# KiCad board panel_4_3.kicad_pcb (continued)
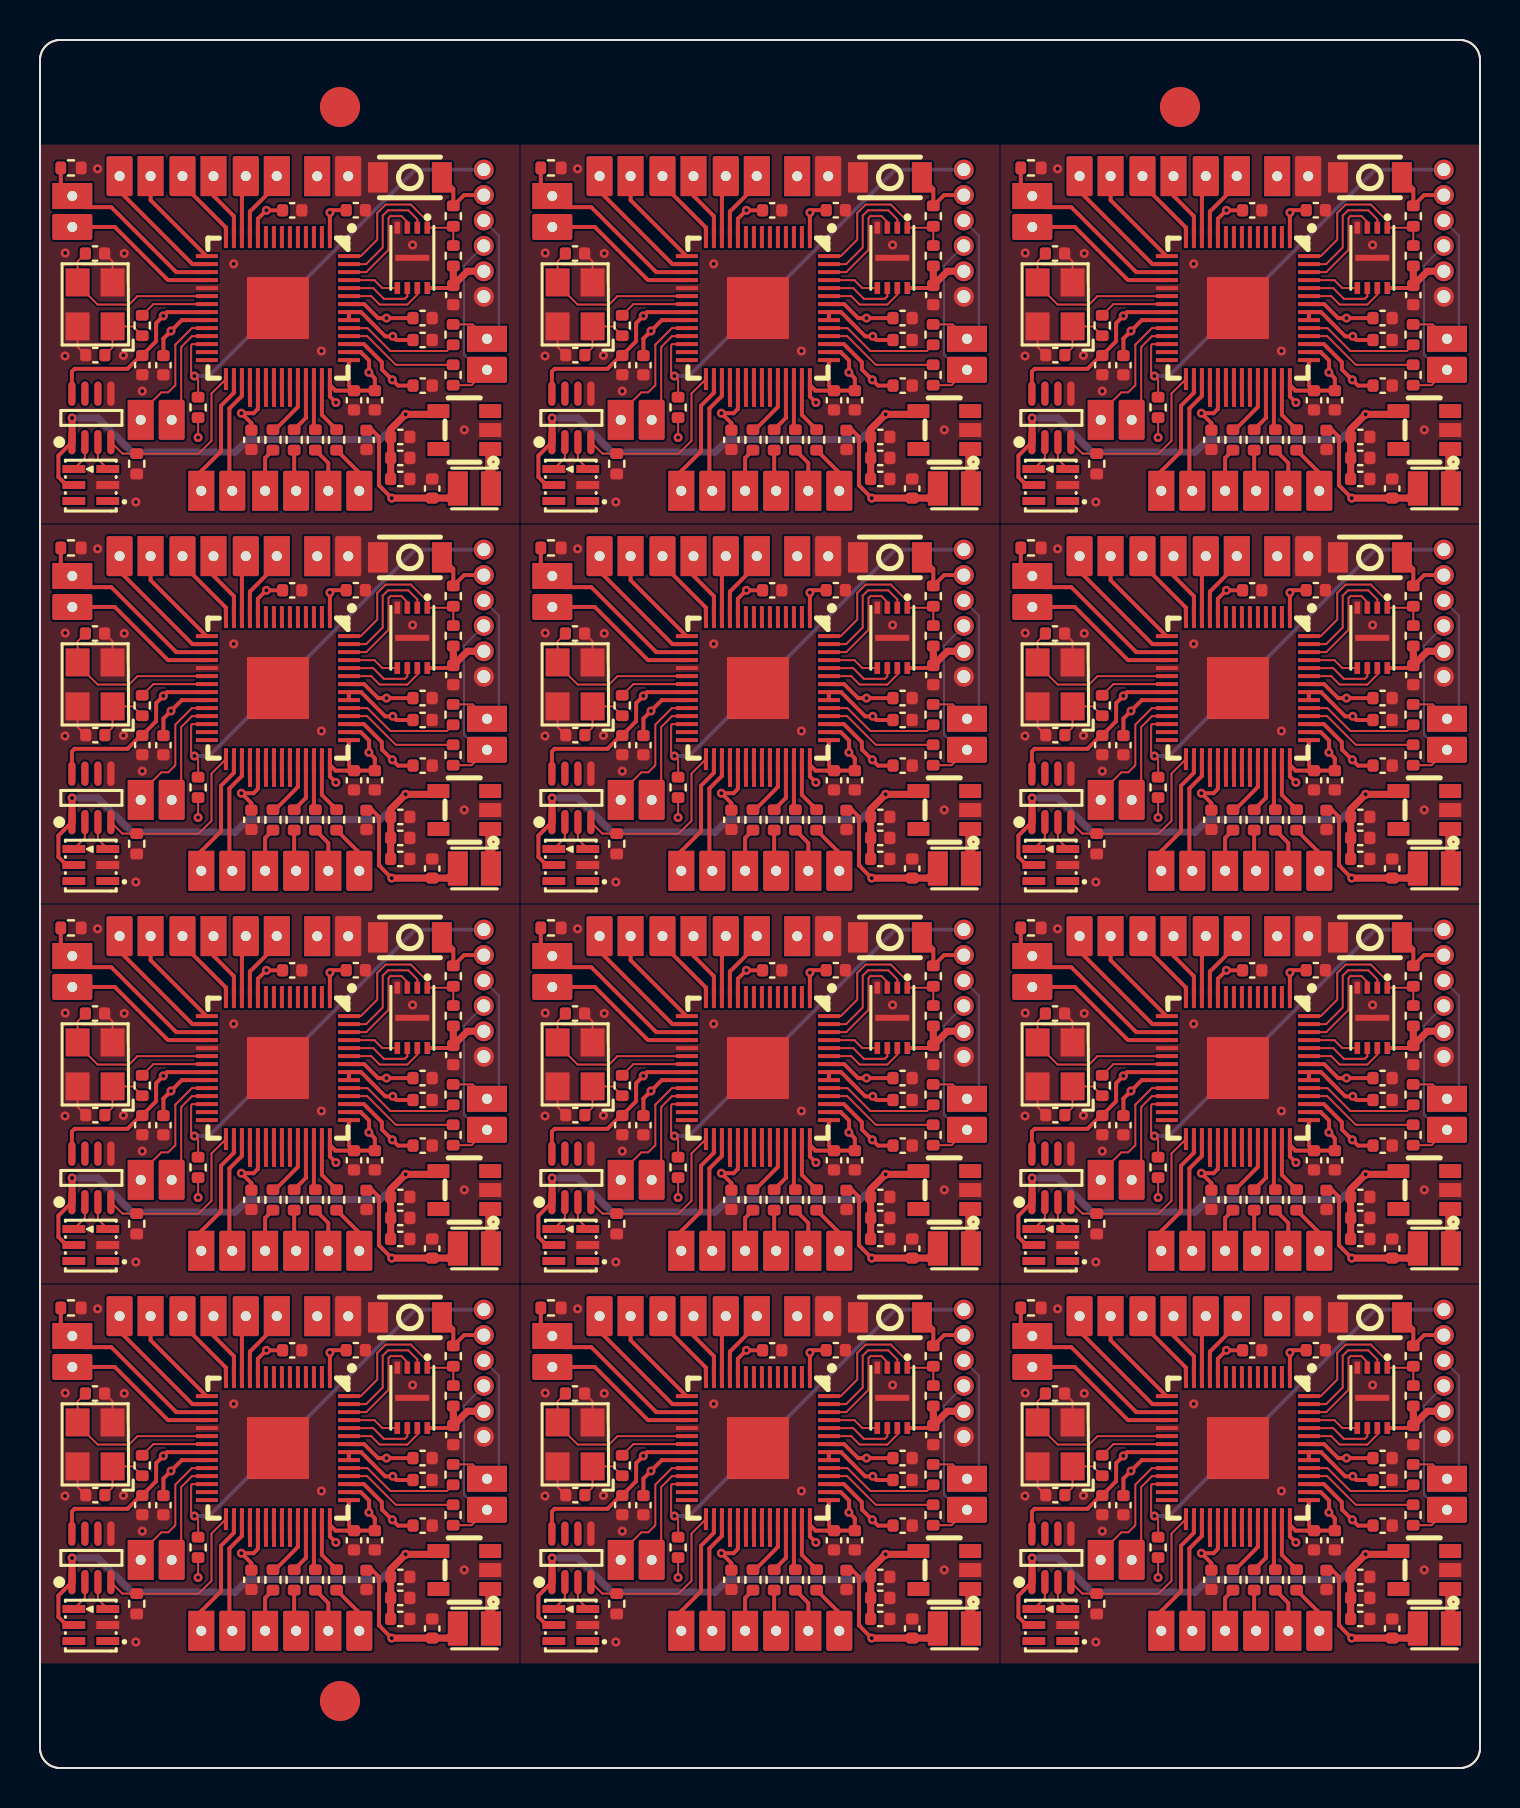
[diagram p0: board, top side]
## Routing (per net, layer and track width the routed paths; a pad name or vN(x,y) marks a point on that pad's centre or on a via; arc(x,y) is an arc through that point) (continued)
Board_4-+5V: length 27.2
  Top w0.2: U3#11.1 24.92,46.62 24.92,45.55 25.32,45.15
  Top w0.358: U3#11.1 25.6,47.3 v1(25.6,48.5) ; 43.93,48.69 v1(42.28,48.69) 41.53,47.94 C16#10.1 C17#6.1 C18#4.1
  Bottom w0.358: v1(25.6,48.5) 26.9,48.5 28.6,46.8 33.75,46.8 34.38,47.43 41.02,47.43 v1(42.28,48.69)
Board_4-BOOT: length 3.4
  Top w0.2: SW1#9.1 44.66,59.96 R5#2.1 45.21,59.65 J8#6.2
Board_4-D+: length 7.6
  Top w0.1: J5#4.1 45.63,53.18 R3#3.2
  Bottom w0.1: J8#6.3 46.94,57.63 46.94,53.05
Board_4-D-: length 8.9
  Top w0.1: J5#4.2 45.58,50.14 R4#8.2
  Bottom w0.1: 45.95,50.91 45.2,51.66 45.2,56.12 J8#6.4
Board_4-DBG_CLK: length 6.6
  Top w0.1: J7.1 29.03,48.76 30.06,49.79 30.41,49.79 30.76,50.14 30.76,52.17 31.59,53 U1#10.24
Board_4-DBG_DAT: length 5.4
  Top w0.1: J7.2 31.06,48.88 31.06,52.05 31.6,52.6 U1#10.25
Board_4-GND: length 3.2
  Top w0.1: X1#4.2 27.63,56.33 C3#9.2 ; X1#4.4 25.88,52.05 C1#6.1
  vias: v1(25.26,56.75) v1(25.25,51.6) v1(26.88,60.96) v1(28.21,56.73) v1(28.17,51.63) v1(28.79,44.3) v1(29.12,49.85) v1(33.69,56.21) v1(38.07,51.85) v1(42.63,57.15) v1(45.21,47.91)
Board_4-LED_CLK_5V: length 1.5
  Top w0.1: LED1#4.4 26.25,46.5 26.25,47.23
Board_4-LED_DATA_5V: length 1.5
  Top w0.1: LED1#4.3 26.9,46.44 26.9,47.23
Board_4-LED_EN: length 8.9
  Top w0.1: U3#11.4 28.12,46.72 31.94,46.72 32.57,47.36 32.57,49.73 U1#10.29
Board_4-Net-(U1-GPIO26_ADC0): length 3.1
  Top w0.2: R8#8.1 35.75,47.92 36.9,49.06 U1#10.38
Board_4-Net-(U1-GPIO27_ADC1): length 2.8
  Top w0.2: R9#2.1 37.29,48.5 U1#10.39
Board_4-Net-(U1-GPIO28_ADC2): length 2.6
  Top w0.2: R10#6.1 37.69,47.99 U1#10.40
Board_4-Net-(U1-GPIO29_ADC3): length 2.8
  Top w0.2: R11#10.1 38.09,48.65 U1#10.41
Board_4-Net-(U1-USB_DM): length 5.8
  Top w0.1: R4#8.1 41.79,51.16 40.36,52.6 39.44,52.6
Board_4-Net-(U1-USB_DP): length 5.8
  Top w0.1: 39.44,53 40.37,53 41.52,51.85 44.35,51.85 R3#3.1
Board_4-Net-(U4-SW): length 1.8
  Top w0.5: 46.51,46.78 46.51,45.01
Board_4-Net-(X1-OSC1): length 3.3
  Top w0.1: C1#6.2 27.63,52.03 X1#4.1 28.65,53.08 R1#12.1
Board_4-NS_8: length 3.6
  Top w0.2: J10#6.1 35.84,60.17 34.5,58.82 U1#10.11
Board_4-NS_9: length 3.1
  Top w0.2: U1#10.12 34.09,60.4 J10#6.2
Board_4-NS_10: length 3.5
  Top w0.2: J9#9.1 32.68,59.61 33.69,58.6 U1#10.13
Board_4-NS_11: length 3.5
  Top w0.2: U1#10.14 33.29,58.02 31.13,60.18
Board_4-NS_19: length 6.3
  Top w0.2: J11#11.1 32.06,45.85 33.05,46.84 33.05,49.12 33.69,49.76 U1#10.30
Board_4-NS_20: length 5.9
  Top w0.2: J11#11.2 33.47,45.01 33.47,48.98 34.09,49.6 U1#10.31
Board_4-NS_CLK: length 2.1
  Top w0.2: R9#2.2 36.71,44.96 J3#12.2
Board_4-NS_CMD: length 2.3
  Top w0.2: R10#6.2 38.41,46.25 J4#5.1
Board_4-NS_CPU: length 7.8
  Top w0.2: U1#10.18 30.4,55.4 27.74,58.05 J2#8.2
Board_4-NS_CPU_PD: length 9.9
  Top w0.2: 32.34,55.8 30.81,55.8 27.56,59.05 26.17,59.05 J2#8.1 25.04,60.18 R12#2.1
Board_4-NS_D0: length 2.5
  Top w0.2: J4#5.2 39.97,45.76 R11#10.2
Board_4-NS_RST: length 2.2
  Top w0.2: J3#12.1 35.25,46.5 R8#8.2
Board_4-NS_SCL: length 5.9
  Top w0.2: 27.98,59.83 31.62,56.2 U1#10.16
Board_4-NS_SDA: length 5.2
  Top w0.2: 32.33,56.6 29.53,59.4 J6#9.1
Board_4-PAD_21: length 1
  Top w0.2: U1#10.32 34.5,49.41
Board_4-PAD_22: length 1
  Top w0.2: U1#10.34 35.29,49.41
Board_4-PAD_23: length 1
  Top w0.2: U1#10.35 35.69,49.41
Board_4-PAD_24: length 1
  Top w0.2: U1#10.36 36.09,49.41
Board_4-PAD_25: length 1
  Top w0.2: U1#10.37 36.5,49.41
Board_4-QSPI_CS: length 8.6
  Top w0.1: 39.44,56.6 40.03,56.6 40.86,57.42 40.86,58.75 41.28,59.18 42.54,59.18 43.37,58.35 U2#6.1 44.66,58.01 R6#12.2
Board_4-QSPI_SCK: length 3.6
  Top w0.1: 39.44,55 40.66,55 41.19,54.46 42.25,54.46 42.37,54.58 U2#6.6
Board_4-QSPI_SD0: length 2.6
  Top w0.1: U2#6.5 41.11,55 40.72,55.4 39.44,55.4
Board_4-QSPI_SD1: length 6.1
  Top w0.1: 39.44,56.2 40.3,56.2 41.13,57.03 41.13,58.61 41.41,58.89 42.41,58.89 42.87,58.43 U2#6.2
Board_4-QSPI_SD2: length 5.4
  Top w0.1: 39.44,55.8 40.31,55.8 41.43,56.91 41.43,58.49 41.53,58.6 42.07,58.6 42.37,58.3 U2#6.3
Board_4-QSPI_SD3: length 4.1
  Top w0.1: 39.44,54.6 40.56,54.6 40.98,54.17 42.37,54.17 42.87,54.67 U2#6.7
Board_4-RST: length 22.3
  Top w0.1: U1#10.26 31.62,52.2 31.56,52.14 31.56,50.77 v1(31.72,50.6) 31.91,50.42 R2#5.2
  Bottom w0.2: v1(31.72,50.6) 32.45,50.6 42.77,60.92 J8#6.1
Board_4-XIN: length 8.7
  Top w0.1: 25.88,55.18 26.88,54.18 28.46,54.18 28.88,54.6 U1#10.20 ; X1#4.3 25.88,56.34 C3#9.1
Board_4-XOUT: length 3.5
  Top w0.1: U1#10.21 29.67,54.2 R1#12.2
Board_5-+1V1: length 25.7
  Top w0.2: C4#6.1 54.17,52.47 v1(54.55,52.85) 55.09,53.4 U1#2.23 ; C2#7.1 v1(65.32,53.5) 64.91,53.5 64.21,54.2 63.44,54.2 ; 63.44,52.2 64.19,52.2 65.09,51.29 65.09,50.93 65.61,50.41 v1(65.62,50.41) 65.62,50.41 65.9,50.12 C5#9.1
  In1.Cu w0.358: v1(54.55,52.85) 55.19,53.5 v1(65.32,53.5) 64.98,53.15 64.98,51.79 65.62,51.15 v1(65.62,50.41)
Board_5-+3V3: length 42.3
  Top w0.1: v1(55.91,47.53) R2#2.1
  Top w0.2: 53.04,51.63 52.38,50.96 49.73,50.96 49.59,50.83 U3#12.8 ; U1#2.1 v1(62.5,58.77) 62.62,58.89 C11#10.1 ; C7#7.1 58.57,48.24 v1(58.07,48.74) 58.68,48.74 58.9,48.96 U1#2.33 ; 63.44,53.4 63.44,53.8 64.05,53.8 65.26,52.59 v1(65.64,52.59) 65.82,52.4 C10#7.1 ; 62.5,50.16 62.78,49.87 64.74,49.87 64.74,50.49 v1(64.44,50.78) 64.46,50.79 64.46,51.38 64.04,51.8 63.44,51.8 ; 53.12,51.65 53.81,52.34 53.81,53.25 v1(54.16,53.61) 54.35,53.8 56.34,53.8 ; 63.44,51.4 63.44,50.12 C9#6.1 ; 68.54,55 U2#12.8 ; U1#2.42 62.5,49.58 v1(62.79,49.28) ; v1(65.59,44.5) 64.95,45.13 64.95,47.56 64.62,47.89 C8#9.1 ; C12#7.1 v1(59.32,58.89) 58.9,58.46 U1#2.10
  Top w0.358: R6#6.1 C14#7.1 69.38,55.84 J8#8.5 ; v1(65.59,44.5) C15#3.1 68.41,44.5 L1#8.1
Board_5-+5V: length 27.2
  Top w0.2: 49.32,45.15 48.92,45.55 48.92,46.62 U3#12.1
  Top w0.358: U3#12.1 49.6,47.3 v1(49.6,48.5) ; 67.93,48.69 v1(66.28,48.69) 65.53,47.94 C16#12.1 C17#12.1 C18#12.1
  Bottom w0.358: v1(66.28,48.69) 65.02,47.43 58.38,47.43 57.75,46.8 52.6,46.8 50.9,48.5 v1(49.6,48.5)
Board_5-BOOT: length 3.4
  Top w0.2: SW1#12.1 68.66,59.96 R5#5.1 69.21,59.65 J8#8.2
Board_5-D+: length 7.6
  Top w0.1: J5#6.1 69.63,53.18 R3#8.2
  Bottom w0.1: 70.94,53.05 70.94,57.63 J8#8.3
Board_5-D-: length 8.9
  Top w0.1: J5#6.2 69.58,50.14 R4#11.2
  Bottom w0.1: J8#8.4 69.2,56.12 69.2,51.66 69.95,50.91
Board_5-DBG_CLK: length 6.6
  Top w0.1: J7#8.1 53.03,48.76 54.06,49.79 54.41,49.79 54.76,50.14 54.76,52.17 55.59,53 U1#2.24
Board_5-DBG_DAT: length 5.4
  Top w0.1: U1#2.25 55.6,52.6 55.06,52.05 55.06,48.88 J7#8.2
Board_5-GND: length 3.2
  Top w0.1: X1#7.4 49.88,52.05 C1#5.1 ; C3#6.2 51.63,56.33 X1#7.2
  vias: v1(49.26,56.75) v1(49.25,51.6) v1(50.88,60.96) v1(52.21,56.73) v1(52.17,51.63) v1(52.79,44.3) v1(53.12,49.85) v1(57.69,56.21) v1(62.07,51.85) v1(66.63,57.15) v1(69.21,47.91)
Board_5-LED_CLK_5V: length 1.5
  Top w0.1: LED1#5.4 50.25,46.5 50.25,47.23
Board_5-LED_DATA_5V: length 1.5
  Top w0.1: 50.9,47.23 50.9,46.44 LED1#5.3
Board_5-LED_EN: length 8.9
  Top w0.1: U1#2.29 56.57,49.73 56.57,47.36 55.94,46.72 52.12,46.72 U3#12.4
Board_5-Net-(U1-GPIO26_ADC0): length 3.1
  Top w0.2: R8.1 59.75,47.92 60.9,49.06 U1#2.38
Board_5-Net-(U1-GPIO27_ADC1): length 2.8
  Top w0.2: R9#5.1 61.29,48.5 U1#2.39
Board_5-Net-(U1-GPIO28_ADC2): length 2.6
  Top w0.2: R10#2.1 61.69,47.99 U1#2.40
Board_5-Net-(U1-GPIO29_ADC3): length 2.8
  Top w0.2: U1#2.41 62.09,48.65 R11#2.1
Board_5-Net-(U1-USB_DM): length 5.8
  Top w0.1: 63.44,52.6 64.36,52.6 65.79,51.16 R4#11.1
Board_5-Net-(U1-USB_DP): length 5.8
  Top w0.1: R3#8.1 68.35,51.85 65.52,51.85 64.37,53 63.44,53
Board_5-Net-(U4-SW): length 1.8
  Top w0.5: 70.51,46.78 70.51,45.01
Board_5-Net-(X1-OSC1): length 3.3
  Top w0.1: R1#5.1 52.65,53.08 X1#7.1 51.63,52.03 C1#5.2
Board_5-NS_8: length 3.6
  Top w0.2: J10#8.1 59.84,60.17 58.5,58.82 U1#2.11
Board_5-NS_9: length 3.1
  Top w0.2: J10#8.2 58.09,60.4 U1#2.12
Board_5-NS_10: length 3.5
  Top w0.2: U1#2.13 57.69,58.6 56.68,59.61 J9#8.1
Board_5-NS_11: length 3.5
  Top w0.2: 55.13,60.18 57.29,58.02 U1#2.14
Board_5-NS_19: length 6.3
  Top w0.2: J11#12.1 56.06,45.85 57.05,46.84 57.05,49.12 57.69,49.76 U1#2.30
Board_5-NS_20: length 5.9
  Top w0.2: J11#12.2 57.47,45.01 57.47,48.98 58.09,49.6 U1#2.31
Board_5-NS_CLK: length 2.1
  Top w0.2: R9#5.2 60.71,44.96 J3.2
Board_5-NS_CMD: length 2.3
  Top w0.2: J4#7.1 62.41,46.25 R10#2.2
Board_5-NS_CPU: length 7.8
  Top w0.2: J2#11.2 51.74,58.05 54.4,55.4 U1#2.18
Board_5-NS_CPU_PD: length 9.9
  Top w0.2: R12#11.1 49.04,60.18 J2#11.1 50.17,59.05 51.56,59.05 54.81,55.8 56.34,55.8
Board_5-NS_D0: length 2.5
  Top w0.2: R11#2.2 63.97,45.76 J4#7.2
Board_5-NS_RST: length 2.2
  Top w0.2: R8.2 59.25,46.5 J3.1
Board_5-NS_SCL: length 5.9
  Top w0.2: U1#2.16 55.62,56.2 51.98,59.83
Board_5-NS_SDA: length 5.2
  Top w0.2: 56.33,56.6 53.53,59.4 J6#6.1
Board_5-PAD_21: length 1
  Top w0.2: U1#2.32 58.5,49.41
Board_5-PAD_22: length 1
  Top w0.2: U1#2.34 59.29,49.41
Board_5-PAD_23: length 1
  Top w0.2: U1#2.35 59.69,49.41
Board_5-PAD_24: length 1
  Top w0.2: U1#2.36 60.09,49.41
Board_5-PAD_25: length 1
  Top w0.2: U1#2.37 60.5,49.41
Board_5-QSPI_CS: length 8.6
  Top w0.1: R6#6.2 68.66,58.01 U2#12.1 67.37,58.35 66.54,59.18 65.28,59.18 64.86,58.75 64.86,57.42 64.03,56.6 63.44,56.6
Board_5-QSPI_SCK: length 3.6
  Top w0.1: U2#12.6 66.37,54.58 66.25,54.46 65.19,54.46 64.66,55 63.44,55
Board_5-QSPI_SD0: length 2.6
  Top w0.1: U2#12.5 65.11,55 64.72,55.4 63.44,55.4
Board_5-QSPI_SD1: length 6.1
  Top w0.1: U2#12.2 66.87,58.43 66.41,58.89 65.41,58.89 65.13,58.61 65.13,57.03 64.3,56.2 63.44,56.2
Board_5-QSPI_SD2: length 5.4
  Top w0.1: 63.44,55.8 64.31,55.8 65.43,56.91 65.43,58.49 65.53,58.6 66.07,58.6 66.37,58.3 U2#12.3
Board_5-QSPI_SD3: length 4.1
  Top w0.1: 63.44,54.6 64.56,54.6 64.98,54.17 66.37,54.17 66.87,54.67 U2#12.7
Board_5-RST: length 22.3
  Top w0.1: R2#2.2 55.91,50.42 v1(55.72,50.6) 55.56,50.77 55.56,52.14 55.62,52.2 U1#2.26
  Bottom w0.2: J8#8.1 66.77,60.92 56.45,50.6 v1(55.72,50.6)
Board_5-XIN: length 8.7
  Top w0.1: 49.88,55.18 50.88,54.18 52.46,54.18 52.88,54.6 U1#2.20 ; X1#7.3 49.88,56.34 C3#6.1
Board_5-XOUT: length 3.5
  Top w0.1: R1#5.2 53.67,54.2 U1#2.21
Board_6-+1V1: length 25.7
  Top w0.2: U1.45 16.19,33.2 17.09,32.29 17.09,31.93 17.61,31.41 v1(17.62,31.41) 17.62,31.41 17.9,31.12 C5#7.1 ; U1.50 16.21,35.2 16.91,34.5 v1(17.32,34.5) C2#9.1 ; C4.1 6.17,33.47 v1(6.55,33.85) 7.09,34.4 U1.23
  In1.Cu w0.358: v1(17.62,31.41) 17.62,32.15 16.98,32.79 16.98,34.15 v1(17.32,34.5) 7.19,34.5 v1(6.55,33.85)
Board_6-+3V3: length 42.3
  Top w0.1: v1(7.91,28.53) R2#9.1
  Top w0.2: 20.54,36 U2#8.8 ; 5.04,32.62 4.38,31.96 1.73,31.96 1.59,31.83 U3#6.8 ; C7#6.1 10.57,29.24 v1(10.07,29.74) 10.68,29.74 10.89,29.96 U1.33 ; 14.5,31.45 14.5,30.58 v1(14.8,30.28) ; C8#2.1 16.62,28.89 16.95,28.56 16.95,26.13 v1(17.59,25.5) ; 5.11,32.65 5.81,33.34 5.81,34.25 v1(6.17,34.61) 6.36,34.8 U1.22 ; U1.48 U1.49 16.05,34.8 17.26,33.59 v1(17.64,33.59) 17.82,33.4 C10#9.1 ; 14.5,38.55 v1(14.5,39.77) 14.61,39.89 C11#9.1 ; U1.10 10.89,39.46 v1(11.32,39.89) C12#12.1 ; 14.5,31.16 14.78,30.87 16.74,30.87 16.74,31.48 v1(16.44,31.78) 16.46,31.79 16.46,32.38 16.04,32.8 U1.44 ; U1.43 15.44,31.12 C9#9.1
  Top w0.358: R6#8.1 20.66,36.12 21.38,36.84 J8#11.5 ; L1#2.1 20.41,25.5 C15#8.1 v1(17.59,25.5)
Board_6-+5V: length 27.2
  Top w0.2: 1.32,26.15 0.92,26.55 0.92,27.62 U3#6.1
  Top w0.358: v1(1.61,29.5) 1.61,28.3 U3#6.1 ; C18#8.1 C17#2.1 C16#3.1 17.53,28.94 v1(18.28,29.69) 19.93,29.69
  Bottom w0.358: v1(18.28,29.69) 17.02,28.43 10.39,28.43 9.75,27.8 4.6,27.8 2.89,29.5 v1(1.61,29.5)
Board_6-BOOT: length 3.4
  Top w0.2: SW1#11.1 20.66,40.96 R5#11.1 21.21,40.65 J8#11.2
Board_6-D+: length 7.6
  Top w0.1: R3#7.2 21.63,34.18 J5#3.1
  Bottom w0.1: J8#11.3 22.94,38.63 22.94,34.05
Board_6-D-: length 8.9
  Top w0.1: R4#10.2 21.58,31.14 J5#3.2
  Bottom w0.1: 21.95,31.91 21.2,32.66 21.2,37.12 J8#11.4
Board_6-DBG_CLK: length 6.6
  Top w0.1: J7#4.1 5.03,29.76 6.06,30.79 6.41,30.79 6.77,31.14 6.77,33.17 7.59,34 U1.24
Board_6-DBG_DAT: length 5.4
  Top w0.1: U1.25 7.6,33.59 7.06,33.05 7.06,29.88 J7#4.2
Board_6-GND: length 3.2
  Top w0.1: X1#5.4 1.88,33.05 C1#4.1 ; X1#5.2 3.63,37.33 C3#2.2
  vias: v1(1.26,37.75) v1(1.25,32.6) v1(2.88,41.96) v1(4.21,37.73) v1(4.17,32.63) v1(4.8,25.3) v1(5.11,30.84) v1(9.69,37.21) v1(14.07,32.85) v1(18.63,38.15) v1(21.21,28.91)
Board_6-LED_CLK_5V: length 1.5
  Top w0.1: 2.25,28.23 2.25,27.5 LED1#10.4
Board_6-LED_DATA_5V: length 1.5
  Top w0.1: 2.89,28.23 2.89,27.44 LED1#10.3
Board_6-LED_EN: length 8.9
  Top w0.1: U3#6.4 4.12,27.72 7.94,27.72 8.58,28.36 8.58,30.73 U1.29
Board_6-Net-(U1-GPIO26_ADC0): length 3.1
  Top w0.2: R8#7.1 11.75,28.92 12.89,30.06 U1.38
Board_6-Net-(U1-GPIO27_ADC1): length 2.8
  Top w0.2: U1.39 13.3,29.5 R9#7.1
Board_6-Net-(U1-GPIO28_ADC2): length 2.6
  Top w0.2: R10#12.1 13.69,28.99 U1.40
Board_6-Net-(U1-GPIO29_ADC3): length 2.8
  Top w0.2: R11#7.1 14.09,29.65 U1.41
Board_6-Net-(U1-USB_DM): length 5.8
  Top w0.1: R4#10.1 17.79,32.16 16.36,33.59 U1.46
Board_6-Net-(U1-USB_DP): length 5.8
  Top w0.1: R3#7.1 20.35,32.85 17.52,32.85 16.37,34 U1.47
Board_6-Net-(U4-SW): length 1.8
  Top w0.5: 22.51,27.78 22.51,26.01
Board_6-Net-(X1-OSC1): length 3.3
  Top w0.1: 5.11,33.62 4.64,34.08 X1#5.1 3.63,33.03 C1#4.2
Board_6-NS_8: length 3.6
  Top w0.2: J10#4.1 11.84,41.17 10.5,39.82 10.5,38.55
Board_6-NS_9: length 3.1
  Top w0.2: U1.12 10.09,41.4 J10#4.2
Board_6-NS_10: length 3.5
  Top w0.2: J9#12.1 8.68,40.61 9.69,39.59 U1.13
Board_6-NS_11: length 3.5
  Top w0.2: 7.13,41.18 9.3,39.02 U1.14
Board_6-NS_19: length 6.3
  Top w0.2: U1.30 9.69,30.76 9.05,30.12 9.05,27.84 8.06,26.85 J11#10.1
Board_6-NS_20: length 5.9
  Top w0.2: J11#10.2 9.47,26.01 9.47,29.98 10.09,30.6 U1.31
Board_6-NS_CLK: length 2.1
  Top w0.2: 12.71,27.9 12.71,25.96 J3#10.2
Board_6-NS_CMD: length 2.3
  Top w0.2: J4.1 14.42,27.25 13.77,27.9
Board_6-NS_CPU: length 7.8
  Top w0.2: J2#3.2 3.74,39.05 6.39,36.4 U1.18
Board_6-NS_CPU_PD: length 9.9
  Top w0.2: U1.17 6.81,36.8 3.56,40.05 2.17,40.05 J2#3.1 1.04,41.18 R12#9.1
Board_6-NS_D0: length 2.5
  Top w0.2: 14.83,27.9 15.97,26.76 J4.2
Board_6-NS_RST: length 2.2
  Top w0.2: J3#10.1 11.25,27.5 11.65,27.9
Board_6-NS_SCL: length 5.9
  Top w0.2: 3.98,40.83 7.61,37.2 U1.16
Board_6-NS_SDA: length 5.2
  Top w0.2: J6#8.1 5.53,40.4 8.33,37.59
Board_6-PAD_21: length 1
  Top w0.2: 10.5,31.45 10.5,30.41
Board_6-PAD_22: length 1
  Top w0.2: U1.34 11.3,30.41
Board_6-PAD_23: length 1
  Top w0.2: U1.35 11.69,30.41
Board_6-PAD_24: length 1
  Top w0.2: U1.36 12.09,30.41
Board_6-PAD_25: length 1
  Top w0.2: 12.5,31.45 12.5,30.41
Board_6-QSPI_CS: length 8.6
  Top w0.1: U1.56 16.03,37.59 16.86,38.42 16.86,39.75 17.28,40.18 18.54,40.18 19.37,39.35 U2#8.1 20.66,39.01 R6#8.2
Board_6-QSPI_SCK: length 3.6
  Top w0.1: U1.52 16.66,36 17.19,35.46 18.25,35.46 18.37,35.58 U2#8.6
Board_6-QSPI_SD0: length 2.6
  Top w0.1: U1.53 16.72,36.4 17.11,36 U2#8.5
Board_6-QSPI_SD1: length 6.1
  Top w0.1: U1.55 16.3,37.2 17.13,38.03 17.13,39.61 17.41,39.89 18.41,39.89 18.87,39.43 U2#8.2
Board_6-QSPI_SD2: length 5.4
  Top w0.1: U2#8.3 18.37,39.3 18.07,39.59 17.53,39.59 17.43,39.49 17.43,37.91 16.31,36.8 U1.54
Board_6-QSPI_SD3: length 4.1
  Top w0.1: U1.51 16.56,35.59 16.98,35.17 18.37,35.17 18.87,35.67 U2#8.7
Board_6-RST: length 22.3
  Top w0.1: R2#9.2 7.91,31.42 v1(7.72,31.6) 7.56,31.77 7.56,33.14 7.61,33.2 U1.26
  Bottom w0.2: v1(7.72,31.6) 8.45,31.6 18.77,41.92 J8#11.1
Board_6-XIN: length 8.7
  Top w0.1: X1#5.3 1.88,37.34 C3#2.1 ; 1.88,36.18 2.88,35.18 4.45,35.18 4.88,35.59 U1.20
Board_6-XOUT: length 3.5
  Top w0.1: R1#11.2 5.67,35.2 U1.21
Board_7-+1V1: length 25.7
  Top w0.2: C2#6.1 v1(41.32,34.5) 40.91,34.5 40.21,35.2 39.44,35.2 ; C4#3.1 30.17,33.47 v1(30.55,33.85) 31.09,34.4 U1#8.23 ; 39.44,33.2 40.19,33.2 41.09,32.29 41.09,31.93 41.61,31.41 v1(41.62,31.41) 41.62,31.41 41.9,31.12 C5#10.1
  In1.Cu w0.358: v1(41.62,31.41) 41.62,32.15 40.98,32.79 40.98,34.15 v1(41.32,34.5) 31.19,34.5 v1(30.55,33.85)
Board_7-+3V3: length 42.3
  Top w0.1: v1(31.91,28.53) R2#10.1
  Top w0.2: 39.44,34.4 39.44,34.8 40.05,34.8 41.26,33.59 v1(41.64,33.59) 41.82,33.4 C10#3.1 ; C11#5.1 38.62,39.89 v1(38.5,39.77) U1#8.1 ; C9#4.1 39.44,31.12 39.44,32.4 ; v1(38.79,30.28) 38.5,30.58 U1#8.42 ; C12#2.1 v1(35.32,39.89) 34.9,39.46 U1#8.10 ; 29.12,32.65 29.81,33.34 29.81,34.25 v1(30.16,34.61) 30.35,34.8 U1#8.22 ; 39.44,32.8 40.04,32.8 40.46,32.38 40.46,31.79 v1(40.44,31.78) 40.74,31.48 40.74,30.87 38.78,30.87 38.5,31.16 ; C7#2.1 34.57,29.24 v1(34.07,29.74) 34.68,29.74 34.9,29.96 U1#8.33 ; U3#7.8 25.59,31.83 25.73,31.96 28.38,31.96 29.04,32.62 ; C8.1 40.62,28.89 40.95,28.56 40.95,26.13 v1(41.59,25.5) ; 44.54,36 U2#10.8
  Top w0.358: L1.1 44.41,25.5 C15#2.1 v1(41.59,25.5) ; R6#5.1 44.66,36.12 45.38,36.84 J8#4.5
Board_7-+5V: length 27.2
  Top w0.2: 25.32,26.15 24.92,26.55 24.92,27.62 U3#7.1
  Top w0.358: C18#5.1 C17#8.1 C16#7.1 41.53,28.94 v1(42.28,29.69) 43.93,29.69 ; v1(25.6,29.5) 25.6,28.3 U3#7.1
  Bottom w0.358: v1(25.6,29.5) 26.9,29.5 28.6,27.8 33.75,27.8 34.38,28.43 41.02,28.43 v1(42.28,29.69)
Board_7-BOOT: length 3.4
  Top w0.2: SW1#3.1 44.66,40.96 R5#3.1 45.21,40.65 J8#4.2
Board_7-D+: length 7.6
  Top w0.1: J5#7.1 45.63,34.18 R3#2.2
  Bottom w0.1: 46.94,34.05 46.94,38.63 J8#4.3
Board_7-D-: length 8.9
  Top w0.1: R4#2.2 45.58,31.14 J5#7.2
  Bottom w0.1: J8#4.4 45.2,37.12 45.2,32.66 45.95,31.91
Board_7-DBG_CLK: length 6.6
  Top w0.1: J7#5.1 29.03,29.76 30.06,30.79 30.41,30.79 30.76,31.14 30.76,33.17 31.59,34 U1#8.24
Board_7-DBG_DAT: length 5.4
  Top w0.1: J7#5.2 31.06,29.88 31.06,33.05 31.6,33.59 U1#8.25
Board_7-GND: length 3.2
  Top w0.1: X1#2.4 25.88,33.05 C1.1 ; C3#12.2 27.63,37.33 X1#2.2
  vias: v1(25.26,37.75) v1(25.25,32.6) v1(26.88,41.96) v1(28.21,37.73) v1(28.17,32.63) v1(28.79,25.3) v1(29.12,30.84) v1(33.69,37.21) v1(38.07,32.85) v1(42.63,38.15) v1(45.21,28.91)
Board_7-LED_CLK_5V: length 1.5
  Top w0.1: 26.25,28.23 26.25,27.5 LED1#3.4
Board_7-LED_DATA_5V: length 1.5
  Top w0.1: LED1#3.3 26.9,27.44 26.9,28.23
Board_7-LED_EN: length 8.9
  Top w0.1: U1#8.29 32.57,30.73 32.57,28.36 31.94,27.72 28.12,27.72 U3#7.4
Board_7-Net-(U1-GPIO26_ADC0): length 3.1
  Top w0.2: U1#8.38 36.9,30.06 35.75,28.92 R8#5.1
Board_7-Net-(U1-GPIO27_ADC1): length 2.8
  Top w0.2: R9#4.1 37.29,29.5 U1#8.39
Board_7-Net-(U1-GPIO28_ADC2): length 2.6
  Top w0.2: U1#8.40 37.69,28.99 R10#11.1
Board_7-Net-(U1-GPIO29_ADC3): length 2.8
  Top w0.2: R11#11.1 38.09,29.65 U1#8.41
Board_7-Net-(U1-USB_DM): length 5.8
  Top w0.1: 39.44,33.59 40.36,33.59 41.79,32.16 R4#2.1
Board_7-Net-(U1-USB_DP): length 5.8
  Top w0.1: R3#2.1 44.35,32.85 41.52,32.85 40.37,34 39.44,34
Board_7-Net-(U4-SW): length 1.8
  Top w0.5: 46.51,27.78 46.51,26.01
Board_7-Net-(X1-OSC1): length 3.3
  Top w0.1: C1.2 27.63,33.03 X1#2.1 28.65,34.08 29.11,33.62
Board_7-NS_8: length 3.6
  Top w0.2: U1#8.11 34.5,39.82 35.84,41.17 J10#2.1
Board_7-NS_9: length 3.1
  Top w0.2: U1#8.12 34.09,41.4 J10#2.2
Board_7-NS_10: length 3.5
  Top w0.2: J9#3.1 32.68,40.61 33.69,39.59 U1#8.13
Board_7-NS_11: length 3.5
  Top w0.2: U1#8.14 33.29,39.02 31.13,41.18
Board_7-NS_19: length 6.3
  Top w0.2: U1#8.30 33.69,30.76 33.05,30.12 33.05,27.84 32.06,26.85 J11#8.1
Board_7-NS_20: length 5.9
  Top w0.2: J11#8.2 33.47,26.01 33.47,29.98 34.09,30.6 U1#8.31
Board_7-NS_CLK: length 2.1
  Top w0.2: 36.71,27.9 36.71,25.96 J3#9.2
Board_7-NS_CMD: length 2.3
  Top w0.2: 37.77,27.9 38.41,27.25 J4#6.1
Board_7-NS_CPU: length 7.8
  Top w0.2: J2#12.2 27.74,39.05 30.4,36.4 U1#8.18
Board_7-NS_CPU_PD: length 9.9
  Top w0.2: R12.1 25.04,41.18 J2#12.1 26.17,40.05 27.56,40.05 30.81,36.8 U1#8.17
Board_7-NS_D0: length 2.5
  Top w0.2: 38.83,27.9 39.97,26.76 J4#6.2
Board_7-NS_RST: length 2.2
  Top w0.2: 35.65,27.9 35.25,27.5 J3#9.1
Board_7-NS_SCL: length 5.9
  Top w0.2: 27.98,40.83 31.62,37.2 U1#8.16
Board_7-NS_SDA: length 5.2
  Top w0.2: 32.33,37.59 29.53,40.4 J6#2.1
Board_7-PAD_21: length 1
  Top w0.2: U1#8.32 34.5,30.41
Board_7-PAD_22: length 1
  Top w0.2: U1#8.34 35.29,30.41
Board_7-PAD_23: length 1
  Top w0.2: U1#8.35 35.69,30.41
Board_7-PAD_24: length 1
  Top w0.2: U1#8.36 36.09,30.41
Board_7-PAD_25: length 1
  Top w0.2: U1#8.37 36.5,30.41
Board_7-QSPI_CS: length 8.6
  Top w0.1: 39.44,37.59 40.03,37.59 40.86,38.42 40.86,39.75 41.28,40.18 42.54,40.18 43.37,39.35 U2#10.1 44.66,39.01 R6#5.2
Board_7-QSPI_SCK: length 3.6
  Top w0.1: 39.44,36 40.66,36 41.19,35.46 42.25,35.46 42.37,35.58 U2#10.6
Board_7-QSPI_SD0: length 2.6
  Top w0.1: 39.44,36.4 40.72,36.4 41.11,36 U2#10.5
Board_7-QSPI_SD1: length 6.1
  Top w0.1: 39.44,37.2 40.3,37.2 41.13,38.03 41.13,39.61 41.41,39.89 42.41,39.89 42.87,39.43 U2#10.2
Board_7-QSPI_SD2: length 5.4
  Top w0.1: 39.44,36.8 40.31,36.8 41.43,37.91 41.43,39.49 41.53,39.59 42.07,39.59 42.37,39.3 U2#10.3
Board_7-QSPI_SD3: length 4.1
  Top w0.1: 39.44,35.59 40.56,35.59 40.98,35.17 42.37,35.17 42.87,35.67 U2#10.7
Board_7-RST: length 22.3
  Top w0.1: R2#10.2 31.91,31.42 v1(31.72,31.6) 31.56,31.77 31.56,33.14 31.62,33.2 U1#8.26